# Altium PCB PA_8CH_CTRL.PcbDoc (part 1 of 3) (continued)
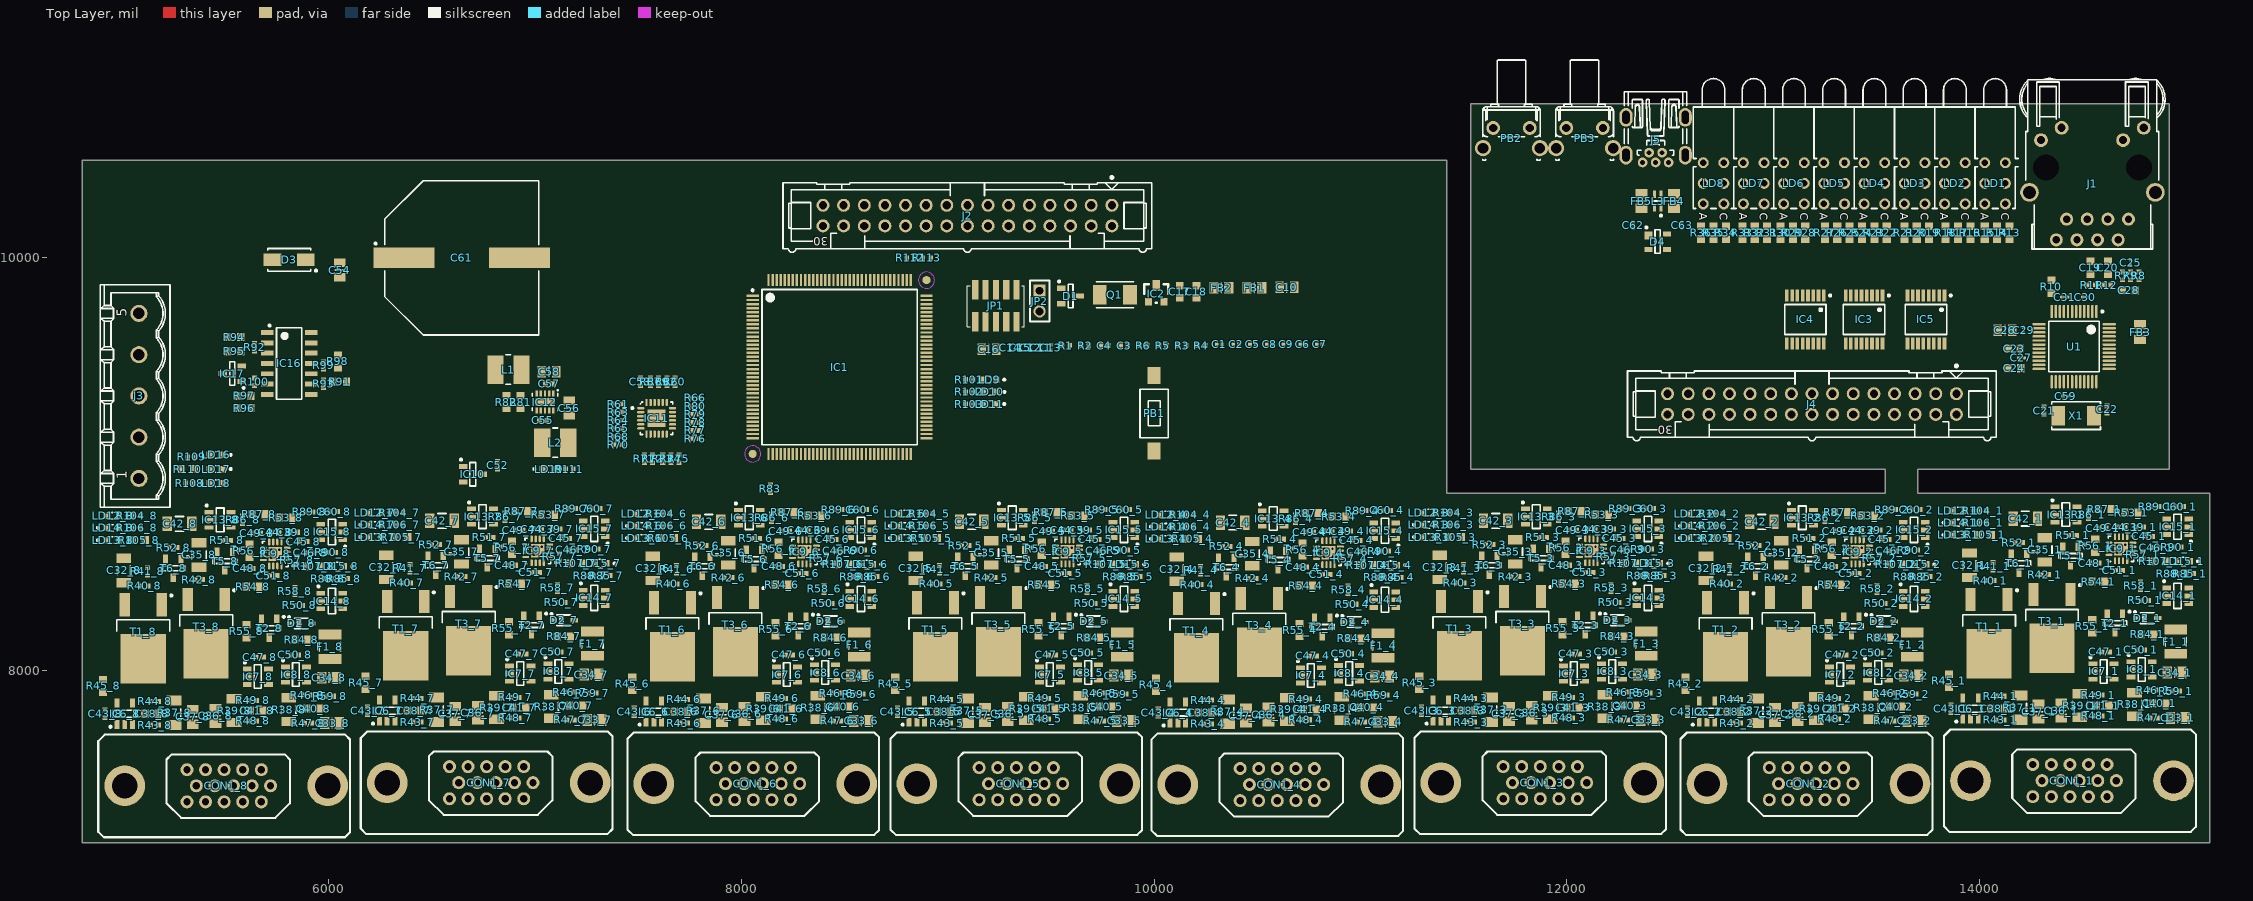
[diagram p0: Top Layer view]
## Components (designator, comment, footprint, x,y, rotation, side; value= is the part's Value field where it differs from the comment) (continued)
C47_2 "100nF" CAPC1005X55N 13335,8075 r0 top (schematic designator C47)
C47_3 "100nF" CAPC1005X55N 12045,8080 r0 top (schematic designator C47)
C47_4 "100nF" CAPC1005X55N 10770,8070.94 r0 top (schematic designator C47)
C47_5 "100nF" CAPC1005X55N 9505,8075 r0 top (schematic designator C47)
C47_6 "100nF" CAPC1005X55N 8230,8075 r0 top (schematic designator C47)
C47_7 "100nF" CAPC1005X55N 6937.28,8080 r0 top (schematic designator C47)
C47_8 "100nF" CAPC1005X55N 5665,8065 r0 top (schematic designator C47)
C48_1 "Undefined" CAPC1005X55N 14562.28,8520 r0 top (schematic designator C48)
C48_2 "Undefined" CAPC1005X55N 13285,8505 r0 top (schematic designator C48)
C48_3 "Undefined" CAPC1005X55N 11995,8510 r0 top (schematic designator C48)
C48_4 "Undefined" CAPC1005X55N 10720,8500.94 r0 top (schematic designator C48)
C48_5 "Undefined" CAPC1005X55N 9455,8505 r0 top (schematic designator C48)
C48_6 "Undefined" CAPC1005X55N 8180,8505 r0 top (schematic designator C48)
C48_7 "Undefined" CAPC1005X55N 6887.28,8510 r0 top (schematic designator C48)
C48_8 "Undefined" CAPC1005X55N 5615,8495 r0 top (schematic designator C48)
C49_1 "100nF" CAPC1005X55N 14597.28,8690 r0 top (schematic designator C49)
C49_2 "100nF" CAPC1005X55N 13320,8675 r0 top (schematic designator C49)
C49_3 "100nF" CAPC1005X55N 12030,8680 r0 top (schematic designator C49)
C49_4 "100nF" CAPC1005X55N 10755,8670.94 r0 top (schematic designator C49)
C49_5 "100nF" CAPC1005X55N 9490,8675 r0 top (schematic designator C49)
C49_6 "100nF" CAPC1005X55N 8215,8675 r0 top (schematic designator C49)
C49_7 "100nF" CAPC1005X55N 6922.28,8680 r0 top (schematic designator C49)
C49_8 "100nF" CAPC1005X55N 5650,8665 r0 top (schematic designator C49)
C50_1 "100nF" CAPC1005X55N 14782.28,8100 r180 top (schematic designator C50)
C50_2 "100nF" CAPC1005X55N 13505,8085 r180 top (schematic designator C50)
C50_3 "100nF" CAPC1005X55N 12215,8090 r180 top (schematic designator C50)
C50_4 "100nF" CAPC1005X55N 10940,8080.94 r180 top (schematic designator C50)
C50_5 "100nF" CAPC1005X55N 9675,8085 r180 top (schematic designator C50)
C50_6 "100nF" CAPC1005X55N 8400,8085 r180 top (schematic designator C50)
C50_7 "100nF" CAPC1005X55N 7107.28,8090 r180 top (schematic designator C50)
C50_8 "100nF" CAPC1005X55N 5835,8075 r180 top (schematic designator C50)
C51_1 "100nF" CAPC1005X55N 14677.28,8485 r180 top (schematic designator C51)
C51_2 "100nF" CAPC1005X55N 13400,8470 r180 top (schematic designator C51)
C51_3 "100nF" CAPC1005X55N 12110,8475 r180 top (schematic designator C51)
C51_4 "100nF" CAPC1005X55N 10835,8465.94 r180 top (schematic designator C51)
C51_5 "100nF" CAPC1005X55N 9570,8470 r180 top (schematic designator C51)
C51_6 "100nF" CAPC1005X55N 8295,8470 r180 top (schematic designator C51)
C51_7 "100nF" CAPC1005X55N 7002.28,8475 r180 top (schematic designator C51)
C51_8 "100nF" CAPC1005X55N 5730,8460 r180 top (schematic designator C51)
C52 "100nF" CAPC1005X55N 6817.6,8994.33 r90 top
C53 "100nF" CAPC1005X55N 7509.84,9399.61 r90 top
C54 "22uF" CAPC2012X135N 6053.15,9940.94 r270 top
C55 "100nF" CAPC1005X55N 7037.4,9212.6 r0 top
C56 "22uF" CAPC2012X135N 7165.35,9271.65 r270 top
C57 "100nF" CAPC1005X55N 7066.93,9389.76 r180 top
C58 "22uF" CAPC2012X135N 7066.93,9448.82 r180 top
C59 "100nF" CAPC0603X33N 14419.45,9329.96 r0 top
C60_1 "100nF" CAPC1005X55N 14970.91,8794.68 r0 top (schematic designator C60)
C60_2 "100nF" CAPC1005X55N 13693.62,8779.68 r0 top (schematic designator C60)
C60_3 "100nF" CAPC1005X55N 12403.62,8784.68 r0 top (schematic designator C60)
C60_4 "100nF" CAPC1005X55N 11128.62,8775.63 r0 top (schematic designator C60)
C60_5 "100nF" CAPC1005X55N 9863.62,8779.68 r0 top (schematic designator C60)
C60_6 "100nF" CAPC1005X55N 8588.62,8779.68 r0 top (schematic designator C60)
C60_7 "100nF" CAPC1005X55N 7295.91,8784.68 r0 top (schematic designator C60)
C60_8 "100nF" CAPC1005X55N 6023.62,8769.68 r0 top (schematic designator C60)
C61 "4700uF" CAPAE1900X1680N 6643.7,10000 r0 top
C62 "100nF" CAPC0603X33N 12322.83,10157.48 r90 top
C63 "100nF" CAPC0603X33N 12559.06,10157.48 r90 top
CON1_1 "DHI15S-LF" DB15_HD_V_DHI15S-LF 14449.25,7465.94 r180 top (schematic designator CON1)
CON1_2 "DHI15S-LF" DB15_HD_V_DHI15S-LF 13171.97,7450.94 r180 top (schematic designator CON1)
CON1_3 "DHI15S-LF" DB15_HD_V_DHI15S-LF 11881.97,7455.94 r180 top (schematic designator CON1)
CON1_4 "DHI15S-LF" DB15_HD_V_DHI15S-LF 10606.97,7446.89 r180 top (schematic designator CON1)
CON1_5 "DHI15S-LF" DB15_HD_V_DHI15S-LF 9341.97,7450.94 r180 top (schematic designator CON1)
CON1_6 "DHI15S-LF" DB15_HD_V_DHI15S-LF 8066.97,7450.94 r180 top (schematic designator CON1)
CON1_7 "DHI15S-LF" DB15_HD_V_DHI15S-LF 6774.25,7455.94 r180 top (schematic designator CON1)
CON1_8 "DHI15S-LF" DB15_HD_V_DHI15S-LF 5501.97,7440.94 r180 top (schematic designator CON1)
D1 "BAT54" SOT95P240X130-3N 9594.81,9814.96 r0 top
D2_1 "BAT165" SOD2512X110N 14813.43,8253.35 r0 top (schematic designator D2)
D2_2 "BAT165" SOD2512X110N 13536.14,8238.35 r0 top (schematic designator D2)
D2_3 "BAT165" SOD2512X110N 12246.14,8243.35 r0 top (schematic designator D2)
D2_4 "BAT165" SOD2512X110N 10971.14,8234.29 r0 top (schematic designator D2)
D2_5 "BAT165" SOD2512X110N 9706.14,8238.35 r0 top (schematic designator D2)
D2_6 "BAT165" SOD2512X110N 8431.14,8238.35 r0 top (schematic designator D2)
D2_7 "BAT165" SOD2512X110N 7138.43,8243.35 r0 top (schematic designator D2)
D2_8 "BAT165" SOD2512X110N 5866.14,8228.35 r0 top (schematic designator D2)
D3 "SS16" DIOM5127X229N 5807.09,9990.16 r180 top
D4 "PRTR5V0U2X" SOT190P230X110-4N 12440.94,10078.74 r0 top
F1_1 "50mA-30V" FUSRC3226X85N 14952.28,8140 r270 top (schematic designator F1)
F1_2 "50mA-30V" FUSRC3226X85N 13675,8125 r270 top (schematic designator F1)
F1_3 "50mA-30V" FUSRC3226X85N 12385,8130 r270 top (schematic designator F1)
F1_4 "50mA-30V" FUSRC3226X85N 11110,8120.94 r270 top (schematic designator F1)
F1_5 "50mA-30V" FUSRC3226X85N 9845,8125 r270 top (schematic designator F1)
F1_6 "50mA-30V" FUSRC3226X85N 8570,8125 r270 top (schematic designator F1)
F1_7 "50mA-30V" FUSRC3226X85N 7277.28,8130 r270 top (schematic designator F1)
F1_8 "50mA-30V" FUSRC3226X85N 6005,8115 r270 top (schematic designator F1)
FB1 "220R@100MHz" INDC2012X105N 10485.51,9855.31 r0 top
FB2 "220R@100MHz" INDC2012X105N 10325.75,9855.31 r0 top
FB3 "220R@100MHz" INDC2012X105N 14779.45,9639.96 r90 top
FB4 "220R@100MHz" INDC2012X105N 12519.68,10275.59 r90 top
FB5 "220R@100MHz" INDC2012X105N 12362.2,10275.59 r90 top
IC1 "STM32F407ZGT6" QFP50P2200X2200X160-144N 8475.31,9470.91 r0 top
IC2 "STM809SWX6F" SOT-23 9972.82,9786.67 r0 top
IC3 "SN74LV595APWT" SOP65P640X120-16N 13441.57,9701.34 r270 top
IC4 "SN74LV595APWT" SOP65P640X120-16N 13156.57,9701.34 r270 top
IC5 "SN74LV595APWT" SOP65P640X120-16N 13741.57,9701.34 r270 top
IC6_1 "INA194AIDBVT" SOT95P280X145-5N 13957.28,7815 r90 top (schematic designator IC6)
IC6_2 "INA194AIDBVT" SOT95P280X145-5N 12680,7800 r90 top (schematic designator IC6)
IC6_3 "INA194AIDBVT" SOT95P280X145-5N 11390,7805 r90 top (schematic designator IC6)
IC6_4 "INA194AIDBVT" SOT95P280X145-5N 10115,7795.94 r90 top (schematic designator IC6)
IC6_5 "INA194AIDBVT" SOT95P280X145-5N 8850,7800 r90 top (schematic designator IC6)
IC6_6 "INA194AIDBVT" SOT95P280X145-5N 7575,7800 r90 top (schematic designator IC6)
IC6_7 "INA194AIDBVT" SOT95P280X145-5N 6282.28,7805 r90 top (schematic designator IC6)
IC6_8 "INA194AIDBVT" SOT95P280X145-5N 5010,7790 r90 top (schematic designator IC6)
IC7_1 "INA194AIDBVT" SOT95P280X145-5N 14602.28,7995 r0 top (schematic designator IC7)
IC7_2 "INA194AIDBVT" SOT95P280X145-5N 13325,7980 r0 top (schematic designator IC7)
IC7_3 "INA194AIDBVT" SOT95P280X145-5N 12035,7985 r0 top (schematic designator IC7)
IC7_4 "INA194AIDBVT" SOT95P280X145-5N 10760,7975.94 r0 top (schematic designator IC7)
IC7_5 "INA194AIDBVT" SOT95P280X145-5N 9495,7980 r0 top (schematic designator IC7)
IC7_6 "INA194AIDBVT" SOT95P280X145-5N 8220,7980 r0 top (schematic designator IC7)
IC7_7 "INA194AIDBVT" SOT95P280X145-5N 6927.28,7985 r0 top (schematic designator IC7)
IC7_8 "INA194AIDBVT" SOT95P280X145-5N 5655,7970 r0 top (schematic designator IC7)
IC8_1 "INA194AIDBVT" SOT95P280X145-5N 14787.28,8005 r0 top (schematic designator IC8)
IC8_2 "INA194AIDBVT" SOT95P280X145-5N 13510,7990 r0 top (schematic designator IC8)
IC8_3 "INA194AIDBVT" SOT95P280X145-5N 12220,7995 r0 top (schematic designator IC8)
IC8_4 "INA194AIDBVT" SOT95P280X145-5N 10945,7985.94 r0 top (schematic designator IC8)
IC8_5 "INA194AIDBVT" SOT95P280X145-5N 9680,7990 r0 top (schematic designator IC8)
IC8_6 "INA194AIDBVT" SOT95P280X145-5N 8405,7990 r0 top (schematic designator IC8)
IC8_7 "INA194AIDBVT" SOT95P280X145-5N 7112.28,7995 r0 top (schematic designator IC8)
IC8_8 "INA194AIDBVT" SOT95P280X145-5N 5840,7980 r0 top (schematic designator IC8)
IC9_1 "ADS7924IRTET" TI-RTE16-1700X1700TP_V 14687.28,8590 r180 top (schematic designator IC9)
IC9_2 "ADS7924IRTET" TI-RTE16-1700X1700TP_V 13410,8575 r180 top (schematic designator IC9)
IC9_3 "ADS7924IRTET" TI-RTE16-1700X1700TP_V 12120,8580 r180 top (schematic designator IC9)
IC9_4 "ADS7924IRTET" TI-RTE16-1700X1700TP_V 10845,8570.94 r180 top (schematic designator IC9)
IC9_5 "ADS7924IRTET" TI-RTE16-1700X1700TP_V 9580,8575 r180 top (schematic designator IC9)
IC9_6 "ADS7924IRTET" TI-RTE16-1700X1700TP_V 8305,8575 r180 top (schematic designator IC9)
IC9_7 "ADS7924IRTET" TI-RTE16-1700X1700TP_V 7012.28,8580 r180 top (schematic designator IC9)
IC9_8 "ADS7924IRTET" TI-RTE16-1700X1700TP_V 5740,8565 r180 top (schematic designator IC9)
IC10 "MCP1525T-I/TT" SOT95P251X112-3N 6697.21,8951.02 r0 top
IC11 "TCA9548ARGER" QFN50P400X400X100-25N-S220 7588.58,9222.44 r0 top
IC12 "TPS62175DQC" SON50P200X300X80-11N-R94X250 7047.24,9301.18 r270 top
IC13_1 "LT1964ES5-SD#TRMPBF" SOT95P280X100-5N 14419.72,8755.32 r0 top (schematic designator IC13)
IC13_2 "LT1964ES5-SD#TRMPBF" SOT95P280X100-5N 13142.44,8740.32 r0 top (schematic designator IC13)
IC13_3 "LT1964ES5-SD#TRMPBF" SOT95P280X100-5N 11852.44,8745.32 r0 top (schematic designator IC13)
IC13_4 "LT1964ES5-SD#TRMPBF" SOT95P280X100-5N 10577.44,8736.26 r0 top (schematic designator IC13)
IC13_5 "LT1964ES5-SD#TRMPBF" SOT95P280X100-5N 9312.44,8740.32 r0 top (schematic designator IC13)
IC13_6 "LT1964ES5-SD#TRMPBF" SOT95P280X100-5N 8037.44,8740.32 r0 top (schematic designator IC13)
IC13_7 "LT1964ES5-SD#TRMPBF" SOT95P280X100-5N 6744.72,8745.32 r0 top (schematic designator IC13)
IC13_8 "LT1964ES5-SD#TRMPBF" SOT95P280X100-5N 5472.44,8730.32 r0 top (schematic designator IC13)
IC14_1 "LM3880-1AC/NOPB" SOT95P280X145-6N 14961.06,8361.61 r0 top (schematic designator IC14)
IC14_2 "LM3880-1AC/NOPB" SOT95P280X145-6N 13683.78,8346.61 r0 top (schematic designator IC14)
IC14_3 "LM3880-1AC/NOPB" SOT95P280X145-6N 12393.78,8351.61 r0 top (schematic designator IC14)
IC14_4 "LM3880-1AC/NOPB" SOT95P280X145-6N 11118.78,8342.56 r0 top (schematic designator IC14)
IC14_5 "LM3880-1AC/NOPB" SOT95P280X145-6N 9853.78,8346.61 r0 top (schematic designator IC14)
IC14_6 "LM3880-1AC/NOPB" SOT95P280X145-6N 8578.78,8346.61 r0 top (schematic designator IC14)
IC14_7 "LM3880-1AC/NOPB" SOT95P280X145-6N 7286.06,8351.61 r0 top (schematic designator IC14)
IC14_8 "LM3880-1AC/NOPB" SOT95P280X145-6N 6013.78,8336.61 r0 top (schematic designator IC14)
IC15_1 "DAC7571DBV" SOT95P280X145-6N 14961.06,8696.26 r180 top (schematic designator IC15)
IC15_2 "DAC7571DBV" SOT95P280X145-6N 13683.78,8681.26 r180 top (schematic designator IC15)
IC15_3 "DAC7571DBV" SOT95P280X145-6N 12393.78,8686.26 r180 top (schematic designator IC15)
IC15_4 "DAC7571DBV" SOT95P280X145-6N 11118.78,8677.2 r180 top (schematic designator IC15)
IC15_5 "DAC7571DBV" SOT95P280X145-6N 9853.78,8681.26 r180 top (schematic designator IC15)
IC15_6 "DAC7571DBV" SOT95P280X145-6N 8578.78,8681.26 r180 top (schematic designator IC15)
IC15_7 "DAC7571DBV" SOT95P280X145-6N 7286.06,8686.26 r180 top (schematic designator IC15)
IC15_8 "DAC7571DBV" SOT95P280X145-6N 6013.78,8671.26 r180 top (schematic designator IC15)
IC16 "LP339M/NOPB" SOIC127P600X175-14N 5807.05,9488.17 r0 top
IC17 "TS3431ILT" SOT95P237X112-3N 5531.5,9438.98 r180 top
J1 "RJ45" TYCO_5-6605308-1 14548.19,10137.48 r180 top
J2 "Familly" 3M_N2530-6002RB 9095,10205 r180 top
J3 "Family" PHOENIX_1755765 5078.74,9330.71 r90 top
J4 "Familly" 3M_N2530-6002RB 13188.98,9291.34 r180 top
J5 "USB" WURTH_651005136521 12431.1,10462.6 r180 top
JP1 "PLHTD10S-TR-CV" PLHTD10S-TR-CV 9357.8,9767.65 r0 top
JP2 "1798942 (goldpin 2x 2.54)" jump 9444.81,9840.67 r0 top
L1 "10uH" IND_MURATA-PS_8400 6870.08,9458.66 r0 top
L2 "10uH" IND_MURATA-PS_8400 7096.46,9104.33 r0 top
L3 "90R@100MHz" IND_MURATA_DLW21S 12440.94,10275.59 r90 top
LD1 "Red/Yellow/Green" LED_MENTOR_1882.2781 14076.57,10361.34 r270 top
LD2 "Red/Yellow/Green" LED_MENTOR_1882.2781 13881.57,10361.34 r270 top
LD3 "Red/Yellow/Green" LED_MENTOR_1882.2781 13686.57,10361.34 r270 top
LD4 "Red/Yellow/Green" LED_MENTOR_1882.2781 13491.57,10361.34 r270 top
LD5 "Red/Yellow/Green" LED_MENTOR_1882.2781 13296.57,10361.34 r270 top
LD6 "Red/Yellow/Green" LED_MENTOR_1882.2781 13101.57,10361.34 r270 top
LD7 "Red/Yellow/Green" LED_MENTOR_1882.2781 12906.57,10361.34 r270 top
LD8 "Red/Yellow/Green" LED_MENTOR_1882.2781 12711.57,10361.34 r270 top
LD9 "Green" LED_OSRAM_LGL29K 9202.76,9409.45 r180 top
LD10 "Green" LED_OSRAM_LGL29K 9202.76,9350.39 r180 top
LD11 "Green" LED_OSRAM_LGL29K 9202.76,9291.34 r180 top
LD12_1 "Green" LED_OSRAM_LGL29K 13898.07,8775 r180 top (schematic designator LD12)
LD12_2 "Green" LED_OSRAM_LGL29K 12620.79,8760 r180 top (schematic designator LD12)
LD12_3 "Green" LED_OSRAM_LGL29K 11330.79,8765 r180 top (schematic designator LD12)
LD12_4 "Green" LED_OSRAM_LGL29K 10055.79,8755.94 r180 top (schematic designator LD12)
LD12_5 "Green" LED_OSRAM_LGL29K 8790.79,8760 r180 top (schematic designator LD12)
LD12_6 "Green" LED_OSRAM_LGL29K 7515.79,8760 r180 top (schematic designator LD12)
LD12_7 "Green" LED_OSRAM_LGL29K 6223.07,8765 r180 top (schematic designator LD12)
LD12_8 "Green" LED_OSRAM_LGL29K 4950.79,8750 r180 top (schematic designator LD12)
LD13_1 "Green" LED_OSRAM_LGL29K 13898.07,8656.89 r0 top (schematic designator LD13)
LD13_2 "Green" LED_OSRAM_LGL29K 12620.79,8641.89 r0 top (schematic designator LD13)
LD13_3 "Green" LED_OSRAM_LGL29K 11330.79,8646.89 r0 top (schematic designator LD13)
LD13_4 "Green" LED_OSRAM_LGL29K 10055.79,8637.83 r0 top (schematic designator LD13)
LD13_5 "Green" LED_OSRAM_LGL29K 8790.79,8641.89 r0 top (schematic designator LD13)
LD13_6 "Green" LED_OSRAM_LGL29K 7515.79,8641.89 r0 top (schematic designator LD13)
LD13_7 "Green" LED_OSRAM_LGL29K 6223.07,8646.89 r0 top (schematic designator LD13)
LD13_8 "Green" LED_OSRAM_LGL29K 4950.79,8631.89 r0 top (schematic designator LD13)
LD14_1 "Green" LED_OSRAM_LGL29K 13898.07,8715.94 r0 top (schematic designator LD14)
LD14_2 "Green" LED_OSRAM_LGL29K 12620.79,8700.94 r0 top (schematic designator LD14)
LD14_3 "Green" LED_OSRAM_LGL29K 11330.79,8705.94 r0 top (schematic designator LD14)
LD14_4 "Green" LED_OSRAM_LGL29K 10055.79,8696.89 r0 top (schematic designator LD14)
LD14_5 "Green" LED_OSRAM_LGL29K 8790.79,8700.94 r0 top (schematic designator LD14)
LD14_6 "Green" LED_OSRAM_LGL29K 7515.79,8700.94 r0 top (schematic designator LD14)
LD14_7 "Green" LED_OSRAM_LGL29K 6223.07,8705.94 r0 top (schematic designator LD14)
LD14_8 "Green" LED_OSRAM_LGL29K 4950.79,8690.94 r0 top (schematic designator LD14)
LD15_1 "Super Red" "LED_OSRAM_LS Q976" 14990.59,8528.94 r180 top (schematic designator LD15)
LD15_2 "Super Red" "LED_OSRAM_LS Q976" 13713.31,8513.94 r180 top (schematic designator LD15)
LD15_3 "Super Red" "LED_OSRAM_LS Q976" 12423.31,8518.94 r180 top (schematic designator LD15)
LD15_4 "Super Red" "LED_OSRAM_LS Q976" 11148.31,8509.88 r180 top (schematic designator LD15)
LD15_5 "Super Red" "LED_OSRAM_LS Q976" 9883.31,8513.94 r180 top (schematic designator LD15)
LD15_6 "Super Red" "LED_OSRAM_LS Q976" 8608.31,8513.94 r180 top (schematic designator LD15)
LD15_7 "Super Red" "LED_OSRAM_LS Q976" 7315.59,8518.94 r180 top (schematic designator LD15)
LD15_8 "Super Red" "LED_OSRAM_LS Q976" 6043.31,8503.94 r180 top (schematic designator LD15)
LD16 "Green" LED_OSRAM_LGL29K 5452.76,9045.28 r180 top
LD17 "Green" LED_OSRAM_LGL29K 5452.77,8976.35 r180 top
LD18 "Green" LED_OSRAM_LGL29K 5452.76,8907.48 r0 top
LD19 "Green" LED_OSRAM_LGL29K 7066.91,8976.41 r0 top
PB1 "Push Button" PB_TYCO_FSMSM 10000.31,9245.91 r90 top
PB2 "Push Button" PB_TYCO_1-1825027-1 11732.28,10629.92 r270 top
PB3 "Push Button" PB_TYCO_1-1825027-1 12086.61,10629.92 r270 top
Q1 "8MHz" XTAL_TXC_7A 9809.69,9821.85 r0 top
R1 "10k" RESC1005X40N 9571.5,9575 r0 top
R2 "10k" RESC1005X40N 9665.12,9575 r0 top
R3 "10k" RESC1005X40N 10135.59,9575 r0 top
R4 "10k" RESC1005X40N 10229.21,9575 r0 top
R5 "49R9" RESC1005X40N 10041.97,9575 r0 top
R6 "10k" RESC1005X40N 9948.35,9575 r0 top
R7 "49R9" RESC1005X40N 14693.19,9912.48 r270 top
R8 "49R9" RESC1005X40N 14773.19,9912.48 r270 top
R9 "10" RESC1005X40N 14733.19,9912.48 r90 top
R10 "12k4" RESC1608X55N 14349.45,9859.96 r90 top
R11 "49R9" RESC1005X40N 14543.19,9867.48 r180 top
R12 "49R9" RESC1005X40N 14618.19,9867.48 r0 top
R13 "330" RESC1608X55N 14146.57,10121.34 r90 top
R14 "330" RESC1608X55N 14086.57,10121.34 r90 top
R15 "330" RESC1608X55N 14026.57,10121.34 r90 top
R16 "330" RESC1608X55N 13956.57,10121.34 r90 top
R17 "330" RESC1608X55N 13896.57,10121.34 r90 top
R18 "330" RESC1608X55N 13836.57,10121.34 r90 top
R19 "330" RESC1608X55N 13756.57,10121.34 r90 top
R20 "330" RESC1608X55N 13696.57,10121.34 r90 top
R21 "330" RESC1608X55N 13636.57,10121.34 r90 top
R22 "330" RESC1608X55N 13551.57,10121.34 r90 top
R23 "330" RESC1608X55N 13491.57,10121.34 r90 top
R24 "330" RESC1608X55N 13431.57,10121.34 r90 top
R25 "330" RESC1608X55N 13371.57,10121.34 r90 top
R26 "330" RESC1608X55N 13311.57,10121.34 r90 top
R27 "330" RESC1608X55N 13251.57,10121.34 r90 top
R28 "330" RESC1608X55N 13156.57,10121.34 r90 top
R29 "330" RESC1608X55N 13096.57,10121.34 r90 top
R30 "330" RESC1608X55N 13036.57,10121.34 r90 top
R31 "330" RESC1608X55N 12971.57,10121.34 r90 top
R32 "330" RESC1608X55N 12911.57,10121.34 r90 top
R33 "330" RESC1608X55N 12851.57,10121.34 r90 top
R34 "330" RESC1608X55N 12771.57,10121.34 r90 top
R35 "330" RESC1608X55N 12711.57,10121.34 r90 top
R36 "330" RESC1608X55N 12651.57,10121.34 r90 top
R37_1 "0R02" RESC3216X80N 14197.28,7820 r90 top (schematic designator R37)
R37_2 "0R02" RESC3216X80N 12920,7805 r90 top (schematic designator R37)
R37_3 "0R02" RESC3216X80N 11630,7810 r90 top (schematic designator R37)
R37_4 "0R02" RESC3216X80N 10355,7800.94 r90 top (schematic designator R37)
R37_5 "0R02" RESC3216X80N 9090,7805 r90 top (schematic designator R37)
R37_6 "0R02" RESC3216X80N 7815,7805 r90 top (schematic designator R37)
R37_7 "0R02" RESC3216X80N 6522.28,7810 r90 top (schematic designator R37)
R37_8 "0R02" RESC3216X80N 5250,7795 r90 top (schematic designator R37)
R38_1 "4R7" RESC3216X65N 14752.28,7835 r270 top (schematic designator R38)
R38_2 "4R7" RESC3216X65N 13475,7820 r270 top (schematic designator R38)
R38_3 "4R7" RESC3216X65N 12185,7825 r270 top (schematic designator R38)
R38_4 "4R7" RESC3216X65N 10910,7815.94 r270 top (schematic designator R38)
R38_5 "4R7" RESC3216X65N 9645,7820 r270 top (schematic designator R38)
R38_6 "4R7" RESC3216X65N 8370,7820 r270 top (schematic designator R38)
R38_7 "4R7" RESC3216X65N 7077.28,7825 r270 top (schematic designator R38)
R38_8 "4R7" RESC3216X65N 5805,7810 r270 top (schematic designator R38)
R39_1 "0R1" RESC3216X65N 14487.28,7830 r90 top (schematic designator R39)
R39_2 "0R1" RESC3216X65N 13210,7815 r90 top (schematic designator R39)
R39_3 "0R1" RESC3216X65N 11920,7820 r90 top (schematic designator R39)
R39_4 "0R1" RESC3216X65N 10645,7810.94 r90 top (schematic designator R39)
R39_5 "0R1" RESC3216X65N 9380,7815 r90 top (schematic designator R39)
R39_6 "0R1" RESC3216X65N 8105,7815 r90 top (schematic designator R39)
R39_7 "0R1" RESC3216X65N 6812.28,7820 r90 top (schematic designator R39)
R39_8 "0R1" RESC3216X65N 5540,7805 r90 top (schematic designator R39)
R40_1 "10k" RESC1005X40N 14052.28,8435 r180 top (schematic designator R40)
R40_2 "10k" RESC1005X40N 12775,8420 r180 top (schematic designator R40)
R40_3 "10k" RESC1005X40N 11485,8425 r180 top (schematic designator R40)
R40_4 "10k" RESC1005X40N 10210,8415.94 r180 top (schematic designator R40)
R40_5 "10k" RESC1005X40N 8945,8420 r180 top (schematic designator R40)
R40_6 "10k" RESC1005X40N 7670,8420 r180 top (schematic designator R40)
R40_7 "10k" RESC1005X40N 6377.28,8425 r180 top (schematic designator R40)
R40_8 "10k" RESC1005X40N 5105,8410 r180 top (schematic designator R40)
R41_1 "10k" RESC1005X40N 14067.28,8505 r270 top (schematic designator R41)
R41_2 "10k" RESC1005X40N 12790,8490 r270 top (schematic designator R41)
R41_3 "10k" RESC1005X40N 11500,8495 r270 top (schematic designator R41)
R41_4 "10k" RESC1005X40N 10225,8485.94 r270 top (schematic designator R41)
R41_5 "10k" RESC1005X40N 8960,8490 r270 top (schematic designator R41)
R41_6 "10k" RESC1005X40N 7685,8490 r270 top (schematic designator R41)
R41_7 "10k" RESC1005X40N 6392.28,8495 r270 top (schematic designator R41)
R41_8 "10k" RESC1005X40N 5120,8480 r270 top (schematic designator R41)
R42_1 "10k" RESC1005X40N 14317.28,8465 r0 top (schematic designator R42)
R42_2 "10k" RESC1005X40N 13040,8450 r0 top (schematic designator R42)
R42_3 "10k" RESC1005X40N 11750,8455 r0 top (schematic designator R42)
R42_4 "10k" RESC1005X40N 10475,8445.94 r0 top (schematic designator R42)
R42_5 "10k" RESC1005X40N 9210,8450 r0 top (schematic designator R42)
R42_6 "10k" RESC1005X40N 7935,8450 r0 top (schematic designator R42)
R42_7 "10k" RESC1005X40N 6642.28,8455 r0 top (schematic designator R42)
R42_8 "10k" RESC1005X40N 5370,8440 r0 top (schematic designator R42)
R43_1 "82" RESC1005X40N 14102.28,7760 r0 top (schematic designator R43)
R43_2 "82" RESC1005X40N 12825,7745 r0 top (schematic designator R43)
R43_3 "82" RESC1005X40N 11535,7750 r0 top (schematic designator R43)
R43_4 "82" RESC1005X40N 10260,7740.94 r0 top (schematic designator R43)
R43_5 "82" RESC1005X40N 8995,7745 r0 top (schematic designator R43)
R43_6 "82" RESC1005X40N 7720,7745 r0 top (schematic designator R43)
R43_7 "82" RESC1005X40N 6427.28,7750 r0 top (schematic designator R43)
R43_8 "82" RESC1005X40N 5155,7735 r0 top (schematic designator R43)
R44_1 "82" RESC1005X40N 14102.28,7875 r0 top (schematic designator R44)
R44_2 "82" RESC1005X40N 12825,7860 r0 top (schematic designator R44)
R44_3 "82" RESC1005X40N 11535,7865 r0 top (schematic designator R44)
R44_4 "82" RESC1005X40N 10260,7855.94 r0 top (schematic designator R44)
R44_5 "82" RESC1005X40N 8995,7860 r0 top (schematic designator R44)
R44_6 "82" RESC1005X40N 7720,7860 r0 top (schematic designator R44)
R44_7 "82" RESC1005X40N 6427.28,7865 r0 top (schematic designator R44)
R44_8 "82" RESC1005X40N 5155,7850 r0 top (schematic designator R44)
R45_1 "330" RESC1608X55N 13852.28,7950 r90 top (schematic designator R45)
R45_2 "330" RESC1608X55N 12575,7935 r90 top (schematic designator R45)
R45_3 "330" RESC1608X55N 11285,7940 r90 top (schematic designator R45)
R45_4 "330" RESC1608X55N 10010,7930.94 r90 top (schematic designator R45)
R45_5 "330" RESC1608X55N 8745,7935 r90 top (schematic designator R45)
R45_6 "330" RESC1608X55N 7470,7935 r90 top (schematic designator R45)
R45_7 "330" RESC1608X55N 6177.28,7940 r90 top (schematic designator R45)
R45_8 "330" RESC1608X55N 4905,7925 r90 top (schematic designator R45)
R46_1 "82" RESC1005X40N 14842.28,7905 r180 top (schematic designator R46)
R46_2 "82" RESC1005X40N 13565,7890 r180 top (schematic designator R46)
R46_3 "82" RESC1005X40N 12275,7895 r180 top (schematic designator R46)
R46_4 "82" RESC1005X40N 11000,7885.94 r180 top (schematic designator R46)
R46_5 "82" RESC1005X40N 9735,7890 r180 top (schematic designator R46)
R46_6 "82" RESC1005X40N 8460,7890 r180 top (schematic designator R46)
R46_7 "82" RESC1005X40N 7167.28,7895 r180 top (schematic designator R46)
R46_8 "82" RESC1005X40N 5895,7880 r180 top (schematic designator R46)
R47_1 "82" RESC1005X40N 14847.28,7770 r180 top (schematic designator R47)
R47_2 "82" RESC1005X40N 13570,7755 r180 top (schematic designator R47)
R47_3 "82" RESC1005X40N 12280,7760 r180 top (schematic designator R47)
R47_4 "82" RESC1005X40N 11005,7750.94 r180 top (schematic designator R47)
R47_5 "82" RESC1005X40N 9740,7755 r180 top (schematic designator R47)
R47_6 "82" RESC1005X40N 8465,7755 r180 top (schematic designator R47)
R47_7 "82" RESC1005X40N 7172.28,7760 r180 top (schematic designator R47)
R47_8 "82" RESC1005X40N 5900,7745 r180 top (schematic designator R47)
R48_1 "82" RESC1005X40N 14577.28,7780 r180 top (schematic designator R48)
R48_2 "82" RESC1005X40N 13300,7765 r180 top (schematic designator R48)
R48_3 "82" RESC1005X40N 12010,7770 r180 top (schematic designator R48)
R48_4 "82" RESC1005X40N 10735,7760.94 r180 top (schematic designator R48)
R48_5 "82" RESC1005X40N 9470,7765 r180 top (schematic designator R48)
R48_6 "82" RESC1005X40N 8195,7765 r180 top (schematic designator R48)
R48_7 "82" RESC1005X40N 6902.28,7770 r180 top (schematic designator R48)
R48_8 "82" RESC1005X40N 5630,7755 r180 top (schematic designator R48)
R49_1 "82" RESC1005X40N 14577.28,7880 r180 top (schematic designator R49)
R49_2 "82" RESC1005X40N 13300,7865 r180 top (schematic designator R49)
R49_3 "82" RESC1005X40N 12010,7870 r180 top (schematic designator R49)
R49_4 "82" RESC1005X40N 10735,7860.94 r180 top (schematic designator R49)
R49_5 "82" RESC1005X40N 9470,7865 r180 top (schematic designator R49)
R49_6 "82" RESC1005X40N 8195,7865 r180 top (schematic designator R49)
R49_7 "82" RESC1005X40N 6902.28,7870 r180 top (schematic designator R49)
R49_8 "82" RESC1005X40N 5630,7855 r180 top (schematic designator R49)
R50_1 "10k" RESC1005X40N 14802.28,8340 r180 top (schematic designator R50)
R50_2 "10k" RESC1005X40N 13525,8325 r180 top (schematic designator R50)
R50_3 "10k" RESC1005X40N 12235,8330 r180 top (schematic designator R50)
R50_4 "10k" RESC1005X40N 10960,8320.94 r180 top (schematic designator R50)
R50_5 "10k" RESC1005X40N 9695,8325 r180 top (schematic designator R50)
R50_6 "10k" RESC1005X40N 8420,8325 r180 top (schematic designator R50)
R50_7 "10k" RESC1005X40N 7127.28,8330 r180 top (schematic designator R50)
R50_8 "10k" RESC1005X40N 5855,8315 r180 top (schematic designator R50)
R51_1 "10k" RESC1005X40N 14452.28,8655 r0 top (schematic designator R51)
R51_2 "10k" RESC1005X40N 13175,8640 r0 top (schematic designator R51)
R51_3 "10k" RESC1005X40N 11885,8645 r0 top (schematic designator R51)
R51_4 "10k" RESC1005X40N 10610,8635.94 r0 top (schematic designator R51)
R51_5 "10k" RESC1005X40N 9345,8640 r0 top (schematic designator R51)
R51_6 "10k" RESC1005X40N 8070,8640 r0 top (schematic designator R51)
R51_7 "10k" RESC1005X40N 6777.28,8645 r0 top (schematic designator R51)
R51_8 "10k" RESC1005X40N 5505,8630 r0 top (schematic designator R51)
R52_1 "10k" RESC1005X40N 14192.28,8620 r0 top (schematic designator R52)
R52_2 "10k" RESC1005X40N 12915,8605 r0 top (schematic designator R52)
R52_3 "10k" RESC1005X40N 11625,8610 r0 top (schematic designator R52)
R52_4 "10k" RESC1005X40N 10350,8600.94 r0 top (schematic designator R52)
R52_5 "10k" RESC1005X40N 9085,8605 r0 top (schematic designator R52)
R52_6 "10k" RESC1005X40N 7810,8605 r0 top (schematic designator R52)
R52_7 "10k" RESC1005X40N 6517.28,8610 r0 top (schematic designator R52)
R52_8 "10k" RESC1005X40N 5245,8595 r0 top (schematic designator R52)
R53_1 "330" RESC1608X55N 14737.28,8765 r180 top (schematic designator R53)
R53_2 "330" RESC1608X55N 13460,8750 r180 top (schematic designator R53)
R53_3 "330" RESC1608X55N 12170,8755 r180 top (schematic designator R53)
R53_4 "330" RESC1608X55N 10895,8745.94 r180 top (schematic designator R53)
R53_5 "330" RESC1608X55N 9630,8750 r180 top (schematic designator R53)
R53_6 "330" RESC1608X55N 8355,8750 r180 top (schematic designator R53)
R53_7 "330" RESC1608X55N 7062.28,8755 r180 top (schematic designator R53)
R53_8 "330" RESC1608X55N 5790,8740 r180 top (schematic designator R53)
R54_1 "330" RESC1608X55N 14577.2,8430.51 r180 top (schematic designator R54)
R54_2 "330" RESC1608X55N 13299.92,8415.51 r180 top (schematic designator R54)
R54_3 "330" RESC1608X55N 12009.92,8420.51 r180 top (schematic designator R54)
R54_4 "330" RESC1608X55N 10734.92,8411.46 r180 top (schematic designator R54)
R54_5 "330" RESC1608X55N 9469.92,8415.51 r180 top (schematic designator R54)
R54_6 "330" RESC1608X55N 8194.92,8415.51 r180 top (schematic designator R54)
R54_7 "330" RESC1608X55N 6902.2,8420.51 r180 top (schematic designator R54)
R54_8 "330" RESC1608X55N 5629.92,8405.51 r180 top (schematic designator R54)
R55_1 "330" RESC1608X55N 14547.28,8215 r90 top (schematic designator R55)
R55_2 "330" RESC1608X55N 13270,8200 r90 top (schematic designator R55)
R55_3 "330" RESC1608X55N 11980,8205 r90 top (schematic designator R55)
R55_4 "330" RESC1608X55N 10705,8195.94 r90 top (schematic designator R55)
R55_5 "330" RESC1608X55N 9440,8200 r90 top (schematic designator R55)
R55_6 "330" RESC1608X55N 8165,8200 r90 top (schematic designator R55)
R55_7 "330" RESC1608X55N 6872.28,8205 r90 top (schematic designator R55)